# Altium PCB module_base.PcbDoc (part 4 of 4)
Units mil, origin at the board's own origin, x right, y up, seen from the top; angles counter-clockwise.
Board outline 3464.57 x 2795.28 mil, 4 copper layers (Top Layer, L2_GND, L3_PWR, Bottom Layer), stack 61.811 mil thick; 147 components, 144 nets, 753 pads, 600 vias.
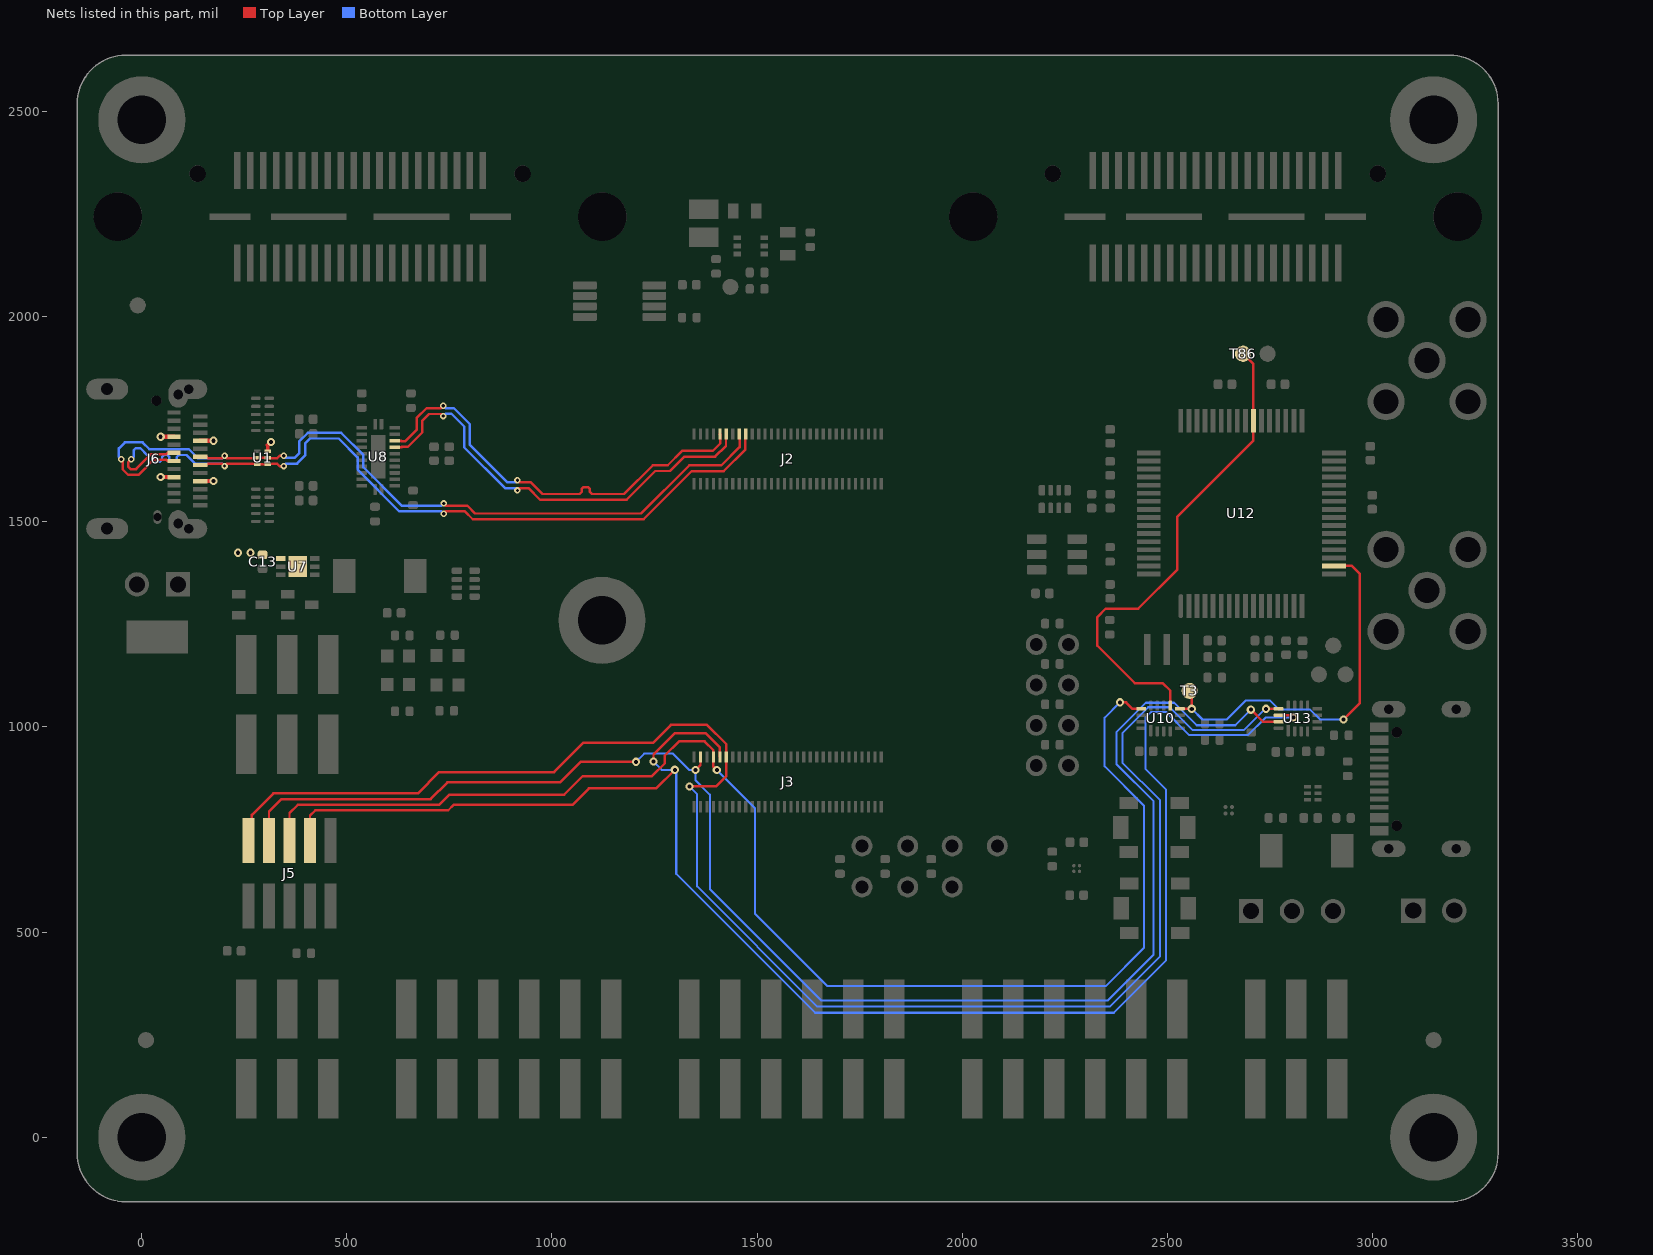
[diagram p6: the nets of this part, all layers, seen from the top]

## Via types
v1: diameter 20, hole 10, Top Layer to Bottom Layer, 431 vias
v2: diameter 16, hole 8, Top Layer to Bottom Layer, 129 vias
v3: diameter 30, hole 15, Top Layer to Bottom Layer, 40 vias

## Nets (pads, with @x,y where several pads share a name; then routed paths per layer and width w, separated by ;. In a path a pad name is that pad's centre, name@x,y a point inside that pad or via, vN(x,y) a via of type N, cw(c..) or ccw(c..) an arc to the next point about the centre after c; other vN are vias at no path point) (continued)
SS_TX_N: J2.11 U8.7 | length 1065
  Top Layer w6: U8.7@616.59,1682.28 633.35,1682.27 634.22,1683.16 648.62,1683.16 684,1718.54 684,1747.1 700,1763.1 730,1763.1 v2(735,1758.1) ; v2(915.73,1576.7) 921.23,1582.2 943,1582.2 971.2,1554 1118.05,1554 ; 1119.8,1554 1181.8,1554 1251.95,1624.15 1288.15,1624.15 1323,1659 1397.8,1659 1424.32,1685.52 1424.32,1713.3 J2.11@1425.2,1714.17
  Bottom Layer w6: v2(735,1758.1) 740.5,1763.61 754.7,1763.61 786,1732.32 786,1681.79 885.59,1582.2 910.23,1582.2 v2(915.73,1576.7)
SS_TX_P: J2.9 U8.8 | length 1066.9
  Top Layer w6: U8.8@616.59,1698.03 631.97,1698.02 632.84,1697.16 642.82,1697.16 670,1724.33 670,1752.9 694.2,1777.1 729,1777.1 v2(735,1783.1) ; v2(915.73,1601.7) 921.23,1596.2 948.8,1596.2 977,1568 1067.59,1568 1073.05,1573.46 1073.05,1581.34 1076.56,1584.86 1088.43,1584.86 1091.95,1581.34 1091.95,1574.06 1098,1568 1176,1568 1246.15,1638.15 1282.35,1638.15 1317.2,1673 1392,1673 1410.32,1691.32 1410.32,1713.3 J2.9@1409.45,1714.17
  Bottom Layer w6: v2(735,1783.1) 740.5,1777.61 760.5,1777.61 800,1738.11 800,1687.59 891.39,1596.2 910.23,1596.2 v2(915.73,1601.7)
TCK: J3.3 J5.4 U13.15 | length 3823
  Top Layer w6: J5.4@310,723.11 310,793.86 340.14,824 704,824 745,865 1020,865 1070,915 v1(1205,915) ; v1(1350,895) 1362.2,907.2 J3.3@1362.2,926.77 ; v1(2704,1042.11) 2733.35,1012.75 U13.15@2771.63,1012.76
  Bottom Layer w5: v1(1205,915) 1225,935 1295,935 1335,895 v1(1350,895) 1350.01,869.99 1385,835.01 1385,605 1656.89,333.11 2355,333.11 2467,445.11 2467,818.53 2377,908.53 2377,988.11 2447.89,1059 2517.11,1059 2572,1004.11 2666,1004.11 v1(2704,1042.11)
TDI: J3.9 J5.8 U13.14 | length 3997.3
  Top Layer w6: J5.8@410,723.11 410,784 423,797 747,797 760,810 1050,810 1090,850 1254,850 v1(1299.5,895.5) ; v1(1247.52,915.58) 1247.52,932.51 1299.99,985 1374.01,985 1409.45,949.55 J3.9@1409.45,926.77 ; U13.14@2771.63,1028.51 2802.61,1028.49 v1(2808,1023.11)
  Bottom Layer w5: v1(1247.52,915.58) 1267.6,895.5 v1(1299.5,895.5) 1303,892 1303,642.02 1641.87,303.11 2370,303.11 2497,430.11 2497,847.64 2446.92,897.72 2446.92,1022.92 2461,1037 2497.11,1037 2554,980.11 2696.99,980.11 2740,1023.11 v1(2808,1023.11)
TDO: J3.7 J5.6 U10.13 | length 3405.7
  Top Layer w6: J5.6@360,723.11 360,789.79 380.21,810 725,810 750,835 1030,835 1075,880 1243.89,880 1275,911.11 1275,930 1310,965 1372,965 1393.7,943.3 J3.7@1393.7,926.77 1393.7,903.41 v1(1402,895.11) ; v1(2385,1060) 2400.01,1060 2415.76,1044.24 U10.13@2436.63,1044.25
  Bottom Layer w5: v1(1402,895.11) 1495,802.11 1495,545 1671.89,368.11 2350,368.11 2443.6,461.71 2443.6,807.84 2347.51,903.93 2347.51,1022.51 v1(2385,1060)
TDO_3V3: T3.1 U10.8 U12.18 | length 936.6
  Top Layer w6: U10.8@2531.12,1044.25 v1(2560,1044.24) 2560,1083.11 T3.1@2555,1088.11 ; U12.18@2906.83,1392.68 2950.43,1392.68 2970,1373.1 2970,1058.11 v1(2930,1018.11)
  Bottom Layer w5: v1(2560,1044.24) 2586.14,1018.11 2645,1018.11 2691,1064.11 2751,1064.11 2772,1043.11 2848,1043.11 2873,1018.11 v1(2930,1018.11)
TMS: J3.11 J5.2 U13.13 | length 4098.1
  Top Layer w6: J5.2@260,723.11 268.51,731.62 268.51,785.62 320.89,838 673,838 725,890 1005,890 1076.06,961.07 1246.06,961.07 1290,1005 1378,1005 1425.19,957.81 J3.11@1425.2,926.77 1425.19,880.19 1399.99,855 v1(1335,855) ; v1(2741,1044.24) U13.13@2771.63,1044.25
  Bottom Layer w5: v1(1335,855) 1353.8,836.2 1353.8,611.22 1646.88,318.11 2360,318.11 2483,441.11 2483,821 2391,913 2391,985.11 2453.89,1048 2506.11,1048 2562,992.11 2687.07,992.11 2739.21,1044.25 v1(2741,1044.24)
TXD_3V3: T86.1 U10.9 U12.39 | length 1185.6
  Top Layer w6: U10.9@2507.5,1052.13 2507.5,1088.61 2489.11,1107 2421.11,1107 2330,1198.11 2330,1268.1 2350,1288.1 2429,1288.1 2525,1384.1 2525,1513.1 2710.45,1698.56 2710.45,1746.54 2710.45,1884.55 T86.1@2685,1910
USB2_N: J2.17 J6.A7 J6.B7 U1.3 U1.4 | length 2054.7
  Top Layer w6: v2(-25.57,1652.81) -32.61,1645.77 -32.61,1633.89 -27.45,1628.75 -14.16,1628.75 22.55,1665.45 60.07,1665.45 62.91,1668.29 J6.B7@78.84,1668.31 ; J6.A7@141.83,1638.78 157.76,1638.77 160.6,1641.62 196.13,1641.62 v2(201.63,1636.12) 207.13,1641.62 280.63,1641.62 U1.3@281.5,1640.75 U1.4@307.09,1640.75 307.96,1641.62 330.2,1641.62 335.7,1636.12 v2(345.7,1636.12) ; v2(735.89,1520.08) 741.39,1525.58 787.62,1525.58 806.73,1506.47 1223.27,1506.47 1340.8,1624 1418.8,1624 1471.57,1676.77 1471.57,1713.3 J2.17@1472.44,1714.17
  Bottom Layer w6: v2(-25.57,1652.81) -19.42,1658.97 -19.42,1675.27 -14.79,1679.9 -4,1679.9 12.78,1663.11 25.85,1663.11 31.12,1657.84 31.12,1651.84 36.39,1646.56 43.85,1646.56 49.12,1651.84 49.12,1657.84 54.39,1663.11 61.85,1663.11 67.12,1657.84 67.12,1651.84 72.39,1646.56 79.85,1646.56 85.12,1651.84 85.12,1657.84 90.39,1663.11 109.06,1663.11 130.55,1641.62 196.13,1641.62 v2(201.63,1636.12) ; v2(345.7,1636.12) 351.71,1642.13 378.36,1642.13 398.18,1661.95 398.18,1691.04 410.45,1703.32 479.99,1703.32 526,1657.31 526,1627.31 627.73,1525.58 730.39,1525.58 v2(735.89,1520.08)
USB2_P: J2.15 J6.A6 J6.B6 U1.2 U1.5 | length 2055.9
  Top Layer w6: v2(-50.57,1652.81) -46.61,1648.85 -46.61,1628.1 -33.25,1614.75 -8.36,1614.75 28.35,1651.45 60.09,1651.45 62.93,1648.62 J6.B6@78.84,1648.62 ; J6.A6@141.83,1658.46 157.74,1658.45 160.58,1655.62 196.13,1655.62 v2(201.63,1661.12) 207.13,1655.62 280.63,1655.62 U1.2@281.5,1656.5 U1.5@307.09,1656.5 307.96,1655.62 330.2,1655.62 335.7,1661.12 v2(345.7,1661.12) ; v2(735.89,1545.08) 741.39,1539.58 793.42,1539.58 812.53,1520.47 1217.47,1520.47 1335,1638 1413,1638 1457.57,1682.57 1457.57,1713.3 J2.15@1456.69,1714.17
  Bottom Layer w6: v2(-50.57,1652.81) -56.01,1658.27 -56.01,1679.15 -41.27,1693.9 1.8,1693.9 18.58,1677.11 114.86,1677.11 136.35,1655.62 196.13,1655.62 v2(201.63,1661.12) ; v2(345.7,1661.12) 350.69,1656.13 372.56,1656.13 384.18,1667.75 384.18,1696.84 404.66,1717.32 485.79,1717.32 540,1663.11 540,1633.11 633.53,1539.58 730.39,1539.58 v2(735.89,1545.08)
VBUSC: C13.2 J6.A4 J6.A9 J6.B4 J6.B9 U1.6 U7.1 U7.7 | length 157.6
  Top Layer w8: U1.6@307.09,1672.25 307.09,1687.12
  Top Layer w10: v1(45.87,1609.25) J6.B4@78.84,1609.25 ; v1(45.87,1707.66) J6.B9@78.84,1707.68 ; J6.A9@141.83,1599.41 v1(174.8,1599.41) ; J6.A4@141.83,1697.83 v1(174.8,1697.83) ; 307.09,1687.12 314.6,1694.63 v1(314.8,1694.63)
  other v1: 234.8,1424.83 264.8,1424.83
pads on no net: FID1.1 FID2.1 FID3.1 J1. J1.02 J1.04 J1.08 J1.10 J1.25 J1.27 J2.4 J2.6 J2.10 J2.12 J3.20 J3.22 J3.24 J3.26 J3.28 J3.29 J3.30 J3.31 J3.32 J3.33 J3.34 J3.35 J3.36 J3.37 J3.38 J3.39 J3.41 J3.43 J3.45 J4. J4.25 J4.27 J4.36 J5.7 J6. J6.A8 J6.B8 J8.1 J8.3 J8.4 J13.6 J15.2 J15.3 J15.4 J20.17 J20.18 J20.A8 J20.B8 SW1.G1 SW1.G2 SW1.G3 SW1.G4 SW2.G1 SW2.G2 SW2.G3 SW2.G4 U7.3 U8.2 U8.10 U10.7 U10.14 U12.22 U12.23 U12.24 U12.26 U12.27 U12.28 U12.29 U12.30 U12.32 U12.33 U12.34 U12.36 U12.40 U12.41 U12.43 U12.44 U12.45 U12.46 U12.48 U12.52 U12.53 U12.54 U12.55 U12.57 U12.58 U12.59 U12.60

## Polygon pours and split planes (outlines as drawn)
GND on Top Layer "TOP-GND 2" (solid, pour order 179): 3160,988.11 2995,988.11 2985,998.11 2985,1088.11 3001.73,1104.84 3254.8,1104.84 3265,1094.64 3265,645.04 3253.07,633.11 3000,633.11 2985,648.11 2985,743.11 2995,753.11 3185,753.11 3185,963.11 3160,988.11
DEBUG_PVUSB on Top Layer "TOP-DEBUG_PVUSB" (solid, pour order 178): 3040,788.11 2995,788.11 2980,803.11 2950,803.11 2940,793.11 2940,763.11 2950,753.11 2980,753.11 2995,768.11 3040,768.11 3150,768.11 3170,788.11 3170,973.11 3165,978.11 2975,978.11 2970,973.11 2970,963.11 2975,958.11 3035,958.11 3050,943.11 3110,943.11 3130,923.11 3130,823.11 3110,803.11 3055,803.11 3040,788.11
P5V on Top Layer "TOP-P5V" (solid, pour order 148): 945,1168.11 945,1360 1013.1,1428.1 1505,1428.1 1670,1263.1 1740,1263.1 1755,1248.1 1755,1168.11 1730,1143.11 1606.89,1143.11 1555,1195 1465,1195 1435,1225 1376.9,1225 1250,1098.11 1015,1098.1 945,1168.11
AON_OUT_5V on Top Layer "TOP-AON_OUT_5V" (solid, pour order 147): 2662,784 2710,784 2715,779 2715,653.11 2755,613.11 2755,508.11 2740,493.11 2635,493.11 2610,518.11 2610,695 2662,747 2662,784
P5V on Top Layer "TOP-P5V 1" (solid, pour order 146): 2730,733.11 2730,663.11 2790,603.11 2820,603.11 2850,573.11 2850,513.11 2870,493.11 2955,493.11 2975,513.11 2975,608.11 2945,638.11 2875,638.11 2825,688.11 2825,718.11 2810,733.11 2730,733.11
NetC71_2 on Top Layer "TOP-NETC71_2" (solid, pour order 145): 2916.89,793.11 2865,793.11 2860,788.11 2860,683.11 2885,658.11 2950,658.11 2950,733.11 2920,763.11 2920,790 2916.89,793.11
P3V3D on Top Layer "TOP-P3V3D" (solid, pour order 144): 2299.8,1544.83 2404.8,1544.83 2414.8,1534.83 2414.8,1509.83 2399.8,1494.83 2299.8,1494.83 2294.8,1499.83 2294.8,1539.83 2299.8,1544.83
P3V3D on L3_PWR "L3_PWR-P3V3D" (solid, pour order 164): -39.37,-136.5 -136.5,-39.37 -136.5,2519.68 -136.13,2528.15 -135.02,2536.55 -133.19,2544.82 -130.64,2552.91 -127.4,2560.73 -123.49,2568.25 -118.93,2575.4 -113.78,2582.12 -108.05,2588.37 -101.8,2594.09 -95.08,2599.25 -87.94,2603.8 -80.42,2607.71 -72.59,2610.96 -64.51,2613.51 -56.24,2615.34 -47.84,2616.45 -39.4,2616.81 -39.3,2616.81 3188.97,2616.81 3197.44,2616.45 3205.84,2615.34 3214.11,2613.51 3222.19,2610.96 3230.02,2607.71 3237.54,2603.8 3244.68,2599.25 3251.4,2594.09 3257.65,2588.37 3263.38,2582.12 3268.53,2575.4 3273.09,2568.25 3277,2560.73 3280.24,2552.91 3282.79,2544.82 3284.62,2536.55 3285.73,2528.15 3286.1,2519.68 3286.1,-39.37 3285.73,-47.83 3284.62,-56.23 3282.79,-64.5 3280.24,-72.59 3277,-80.41 3273.09,-87.93 3268.53,-95.08 3263.38,-101.8 3257.65,-108.05 3251.4,-113.77 3244.68,-118.93 3237.53,-123.48 3230.02,-127.39 3222.19,-130.64 3214.11,-133.19 3205.84,-135.02 3197.44,-136.13 3188.97,-136.5 -39.37,-136.5
PVDD_1 on L3_PWR "L3_PWR-PVDD_1" (solid, pour order 163): 2996.77,-135 2996.77,93.11 338.74,93.11 285,146.85 285,385 285,435 265,455 130,455 110,475 110,925 130,945 130,1228.11 160,1258.11 880,1258.11 1085,1053.11 1375,1053.11 1380,1058.11 1380,1408.11 1265,1523.11 1265,1763.11 1404,1902.11 1404,2008.11 1373.11,2008.11 1010,1645 1010,1348.11 845,1348.11 804.05,1389.06 804.05,1415.95 749.99,1470.01 723.1,1470.01 363.63,1470.01 293.28,1399.66 -135,1399.66 -135,-45 -45,-135 2996.77,-135
GND on L3_PWR "L3_PWR-GND 4" (solid, pour order 162): 1445,1600 1431,1586 1431,1558 1453,1536 2037.89,1536 2250,1748.11 2890,1748.11 2930,1708.11 2930,1433.11 3045,1318.11 3145,1318.11 3145,1908.11 3080,1908.11 2980,1808.11 2580,1808.11 2560,1828.11 2560,1930 2580,1950 2720,1950 2758,1988 2758,2282 2694,2346 2694,2431 2685,2440 2549,2440 2543,2434 2543,2328.6 2590,2281.6 2590,2135 2579,2124 2369,2124 2335,2090 2335,2011 2294,1970 2197,1970 2124.95,2042.06 2071.06,2042.06 2070,2043.11 1888.11,2043.11 1795,1950 1586.89,1950 1465,1828.11 1465,1813.11 1445,1793.11
P1V8D on L3_PWR "L3_PWR-P1V8D" (solid, pour order 160): 2000,764.84 2024.8,740.04 2024.8,552.91 1990,518.11 1990,348.11 2030,308.11 2926.89,308.11 2970,265 2970,228.11 2926.89,185 465,185 465,933.11 475,943.11 550,943.11 565,928.11 565,398.11 655,308.11 1910,308.11 1940,338.11 1940,928.11 1945,933.11 1995,933.11 2000,928.11 2000,764.84
P1V2D on L3_PWR "L3_PWR-P1V2D" (solid, pour order 161): 590,175 2930,175 2980,225 2980,275 2935,320 2875,320 2860,335 2860,423.11 2838.27,444.84 2333.27,444.84 2310,468.11 2225,553.11 2225,618.11 2250,643.11 2310,643.11 2445,508.11 2875,508.11 3109.48,508.11 3109.48,210.81 2996.77,98.11 2898.07,98.11 345,98.11 294.06,149.06 295,150 295,450 275,470 135,470 120,485 120,923.11 135,938.11 450,938.11 460,928.11 460,305 590,175
GND on L3_PWR "L3_PWR-GND 3" (solid, pour order 159): 635,1773.11 595,1813.11 450,1813.11 390,1873.11 -135,1873.11 -135,1408.11 290,1408.11 360,1478.11 760,1478.11 760,1548.11 635,1673.11 635,1773.11
PVDD_3 on L3_PWR "L3_PWR-PVDD_3" (solid, pour order 158): 2236.04,963.96 2236.04,890.61 2252.8,873.84 2306.8,873.84 2318.8,885.84 2319.27,912.38 2319.26,1042.78 2198.93,1163.11 1705,1163.11 1495,953.11 1096.89,953.11 880,1170 780,1170 780,1118.11 1050,848.11 1680,848.11 1707.5,875.61 1707.5,975.61 1835,1103.11 2096.89,1103.11 2236.04,963.96
PVUSBC on L3_PWR "L3_PWR-PVUSBC" (solid, pour order 157): 1046.89,838.11 1695,838.11 1705,828.11 1705,813.11 1705,763.11 1697.5,755.61 1022.5,755.61 852.5,755.61 835,773.11 835,918.11 660,1093.11 195,1093.11 185,1103.11 185,1153.11 201.89,1170 770,1170 770,1115 1046.89,838.11
P5V on L3_PWR "L3_PWR-P5V" (solid, pour order 156): 2099.04,964.07 2099.04,845.61 2100.8,845.84 2161.06,785.57 2292.54,785.57 2375,703.11 2651,703.11 2651,793.11 2435,793.11 2373.9,854.21 2240.8,853.84 2223.54,871.11 2223.54,954.57 2085,1093.11 1840,1093.11 1715,968.11 1715,748.11 1706,739.11 1706,584.11 1720,570.11 1773,570.11 1800,597.11 1800,948.11 1845,993.11 2070,993.11 2099.04,964.07
PVDD_2 on L3_PWR "L3_PWR-PVDD_2" (solid, pour order 155): 2115,653.11 2305,463.11 2335,433.11 2825,433.11 2845,413.11 2845,328.11 2835,318.11 2115,318.11 2115,470 2080,505 2080,648.11 2085,653.11 2115,653.11
GND on L3_PWR "L3_PWR-GND" (solid, pour order 154): 680,2440 575,2440 565,2430 565,2115 535,2085 295,2085 285,2075 285,1970 325,1930 595,1930 665,1860 705,1860 715,1870 715,1950 690,1975 690,2085 675,2100 675,2380 690,2395 690,2430 680,2440
P1V8_AON on L3_PWR "L3_PWR-P1V8_AON" (solid, pour order 153): 1930,923.11 1920,933.11 1870,933.11 1865,933.11 1860,928.11 1860,923.11 1860,878.11 1860,583.11 1860,508.11 1860,398.11 1840,378.11 1406.89,378.11 1355,430 1315,430 1305,420 1305,318.11 1900,318.11 1905,323.11 1930,348.11 1930,923.11
VBUSC on L3_PWR "L3_PWR-VBUSC" (solid, pour order 152): 175,1678.11 190,1693.11 190,1708.11 175,1723.11 40,1723.11 -70,1723.11 -93.39,1699.72 -93.39,1616.5 -65,1588.11 -5,1588.11 10,1573.11 180,1573.11 220,1573.11 240,1573.11 255,1573.11 280,1548.11 280,1463.11 260,1443.11 225,1443.11 220,1438.11 220,1413.11 225,1408.11 285,1408.11 305,1428.11 305,1662.73 335,1692.73 335,1713.11 330,1718.11 310,1718.11 300,1708.11 300,1687.54 245,1632.54 245,1613.11 235,1603.11 190,1603.11 185,1608.11 175,1618.11 75,1618.11 70,1623.11 25,1623.11 15,1613.11 -65,1613.11 -76.96,1625.08 -76.96,1691.14 -60,1708.11 20,1708.11 30,1698.11 35,1693.11 150,1693.11 165,1678.11 175,1678.11
PVDD_1 on L3_PWR "L3_PWR-PVDD_1 1" (solid, pour order 151): 2815,1013.11 2815,898.11 2805,888.11 2750,888.11 2745,893.11 2745,948.11 2742.5,948.11 2730,960.61 2512.5,960.61 2485,933.11 2485,898.11 2480,893.11 2420,893.11 2410,903.11 2410,933.11 2490,1013.11 2815,1013.11
GND on L3_PWR "L3_PWR-GND 1" (solid, pour order 150): 2900,875 2900,810 2915,795 2950,795 2960,805 3010,805 3050,845 3105,845 3125,865 3125,900 3105,920 3050,920 3015,955 2950,955 2920,925 2920,895 2900,875
GND on L3_PWR "L3_PWR-GND 2" (solid, pour order 149): 785,1813.11 715,1813.11 700,1798.11 700,1743.11 710,1733.11 756.89,1733.11 770,1720 770,1688.11 885,1573.11 885,1553.11 890,1548.11 920,1548.11 935,1563.11 935,1608.11 850,1693.11 850,1748.11 785,1813.11
P5V on Bottom Layer "BOTTOM-P5V" (solid, pour order 177): 1438,1640.11 1438,1551 1486,1503 1615.11,1503 1656.56,1461.56 1930,1188.11 1930,1022 1896.11,988.11 1816.89,988.11 1220,1585 1220,1893.11 1275,1948.11 1275,2018.11 1420,2163.11 1575,2163.11 1820,2408.11 2260,2408.11 2365,2303.11 2365,2135 2330,2100 2330,2013.11 2320,2003.11 2230,2003.11 2165,2068.11 1825,2068.11 1715,1958.11 1550,1958.11 1420,1828.11 1420,1658.11
FT_VDD18 on Bottom Layer "BOTTOM-FT_VDD18" (solid, pour order 176): 2334.8,1248.31 2334.8,1163.31 2365,1133.11 2686.29,1133.11 2775,1223.27 2775,1388.11 2762.5,1400.61 2762.5,1570.61 2710,1623.11 2710,1683.11 2685,1708.11 2315,1708.11 2299.65,1692.76 2299.65,1678.11 2299.65,1584.75 2391.29,1493.11 2545,1493.11 2575,1463.11 2575,1421.46 2526.69,1373.11 2310,1373.11 2290,1353.11 2290,1293.11 2334.8,1248.31
PVDD_1 on Bottom Layer "BOTTOM-PVDD_1" (solid, pour order 175): 2650,28.11 2665,13.11 2840,13.11 2849.99,23.1 2849.99,218.11 2850,218.11 2850,238.11 3045,433.11 3045,633.11 2950,728.11 2880,728.11 2815,793.11 2815,913.11 2805,923.11 2745,923.11 2720,898.11 2720,778.11 2850,648.11 2905,648.11 2970,583.11 2970,498.11 2925,453.11 2690,453.11 2650,413.11 2650,28.11
PVDD_3 on Bottom Layer "BOTTOM-PVDD_3" (solid, pour order 174): 293.8,1003.84 293.8,880.84 293.8,734.31 350,678.11 705,678.11 865,838.11 865,1139.11 848,1156.11 774,1156.11 759,1141.11 759,1019 608.11,868.11 460,868.11 430,898.11 430,1003.11 413.11,1020 309.96,1020 293.8,1003.84
P3V3_SOM on Bottom Layer "BOTTOM-P3V3_SOM" (solid, pour order 173): 1853.11,653.11 2361.89,653.11 2430,585 2430,468.11 2340,378.11 1921.89,378.11 1825,475 1825,625 1853.11,653.11
P1V8D on Bottom Layer "BOTTOM-P1V8D 1" (solid, pour order 172): 785,2015 940,1860 940,1538.11 892.49,1490.6 827.49,1490.6 760,1423.11 648.61,1423.11 445,1219.5 445,903.11 470,878.11 555,878.11 580,903.11 580,1258.11 685,1363.11 905,1363.11 995,1453.11 995,1925 860,2060 800,2060 785,2045 785,2015
PVUSBC on Bottom Layer "BOTTOM-PVUSBC" (solid, pour order 171): 580,1493.11 543.11,1493.11 480,1430 411.89,1430 175,1193.11 175,1085 200,1060 355,1060 395,1100 395,1230 610,1445 610,1463.11 580,1493.11
P5V on Bottom Layer "BOTTOM-P5V 1" (solid, pour order 170): 2580,783.11 2580,643.11 2640,583.11 2640,498.11 2665,473.11 2910,473.11 2955,518.11 2955,573.11 2890,638.11 2830,638.11 2675,793.11 2590,793.11 2580,783.11
P5V on Bottom Layer "BOTTOM-P5V 2" (solid, pour order 169): 755,1323.11 660,1323.11 590,1253.11 590,1053.11 615,1028.11 715,1028.11 744,1057.11 744,1148.11 764,1168.11 895,1168.11 908.11,1155 1000,1155 1010,1165 1010,1173.11 1010,1268.11 1005,1273.11 805,1273.11 755,1323.11
PVDD_1 on Bottom Layer "BOTTOM-PVDD_1 1" (solid, pour order 168): 830,1353.11 925,1353.11 1010,1438.11 1010,2075 1020,2085 1073.11,2085 1085,2073.11 1085,1388.11 980,1283.11 830,1283.11 820,1293.11 820,1343.11 830,1353.11
P1V8_AON on Bottom Layer "BOTTOM-P1V8_AON" (solid, pour order 167): 2300.27,1267.84 2132.8,1267.84 1939.45,1074.5 1938.92,1018.93 1870,950 1870,908.11 1875,903.11 1925,903.11 1935,913.11 1935,938.11 2165,1168.11 2305,1168.11 2320,1183.11 2320,1248.11 2300.27,1267.84
P1V8D on Bottom Layer "BOTTOM-P1V8D" (solid, pour order 166): 2170,1039.84 2261.73,1039.84 2320,1098.11 2320,1148.11 2315,1153.11 2175,1153.11 2165,1153.11 1945,933.11 1945,908.11 1950,903.11 1998.07,903.11 1999.03,904.07 2034.23,904.07 2170,1039.84
VBUSC on Bottom Layer "BOTTOM-VBUSC" (solid, pour order 165): 175,1678.11 190,1693.11 190,1708.11 175,1723.11 40,1723.11 -70,1723.11 -93.39,1699.72 -93.39,1616.5 -65,1588.11 -5,1588.11 10,1573.11 180,1573.11 220,1573.11 240,1573.11 255,1573.11 280,1548.11 280,1463.11 260,1443.11 225,1443.11 220,1438.11 220,1413.11 225,1408.11 285,1408.11 305,1428.11 305,1662.73 335,1692.73 335,1713.11 330,1718.11 310,1718.11 300,1708.11 300,1687.54 245,1632.54 245,1613.11 235,1603.11 190,1603.11 185,1608.11 175,1618.11 75,1618.11 70,1623.11 25,1623.11 15,1613.11 -65,1613.11 -76.96,1625.08 -76.96,1691.14 -60,1708.11 20,1708.11 30,1698.11 35,1693.11 150,1693.11 165,1678.11 175,1678.11
GND on L2_GND "PWR_L01" (solid, remove dead copper, pour order 142): -39.37,-136.5 cw(c-39.37,-39.37) -136.5,-39.37 -136.5,2519.68 cw(c-39.37,2519.68) -39.4,2616.81 -39.3,2616.81 3188.98,2616.81 cw(c3188.98,2519.69) 3286.1,2519.69 3286.1,-39.37 cw(c3188.98,-39.37) 3188.98,-136.5

## Other copper
Top Layer:
  drawing of 115 lines, arcs and shapes, not listed
  text "TOP LAYER" at 1168.7,-357.86 h100
L2_GND:
  pour cut-out: 601.27,2403.12 649.07,2403.12 649.07,2313.52 601.27,2313.52
  pour cut-out: 2688.09,2401.74 2735.89,2401.74 2735.89,2312.14 2688.09,2312.14
  pour cut-out: 2593.61,2086.43 2641.41,2086.43 2641.41,2176.03 2593.61,2176.03
  pour cut-out: 2499.12,2086.43 2546.92,2086.43 2546.92,2176.03 2499.12,2176.03
  pour cut-out: 2404.63,2086.43 2452.43,2086.43 2452.43,2176.03 2404.63,2176.03
  pour cut-out: 603.11,1655.85 630.11,1655.85 630.11,1629.85 603.11,1629.85
  pour cut-out: 603.11,1703.09 630.11,1703.09 630.11,1677.09 603.11,1677.09
  pour cut-out: 522.8,1624.35 549.8,1624.35 549.8,1598.35 522.8,1598.35
  pour cut-out: 522.8,1655.85 549.8,1655.85 549.8,1629.85 522.8,1629.85
  pour cut-out: 522.8,1687.34 549.8,1687.34 549.8,1661.34 522.8,1661.34
  pour cut-out: 522.8,1718.84 549.8,1718.84 549.8,1692.84 522.8,1692.84
  pour cut-out: 372.91,1599.09 427.77,1599.09 427.77,1540.29 372.91,1540.29
  pour cut-out: 372.91,1761.64 427.77,1761.64 427.77,1702.84 372.91,1702.84
  pour cut-out: 125.9,1585.52 157.8,1585.52 157.8,1554.52 125.9,1554.52
  pour cut-out: 125.9,1664.26 157.8,1664.26 157.8,1633.26 125.9,1633.26
  pour cut-out: 125.9,1743 157.8,1743 157.8,1712 125.9,1712
  pour cut-out: 62.91,1595.36 94.81,1595.36 94.81,1564.36 62.91,1564.36
  pour cut-out: 62.9,1674.1 94.8,1674.1 94.8,1643.1 62.9,1643.1
  pour cut-out: 62.9,1752.84 94.8,1752.84 94.8,1721.84 62.9,1721.84
  pour cut-out: 1783.47,1606.68 1807.17,1606.68 1807.17,1579.08 1783.47,1579.08
  pour cut-out: 1736.23,1606.68 1759.93,1606.68 1759.93,1579.08 1736.23,1579.08
  pour cut-out: 1688.98,1606.68 1712.68,1606.68 1712.68,1579.08 1688.98,1579.08
  pour cut-out: 1641.74,1606.68 1665.44,1606.68 1665.44,1579.08 1641.74,1579.08
  pour cut-out: 1594.49,1606.68 1618.19,1606.68 1618.19,1579.08 1594.49,1579.08
  pour cut-out: 1547.25,1606.68 1570.95,1606.68 1570.95,1579.08 1547.25,1579.08
  pour cut-out: 1500,1606.68 1523.7,1606.68 1523.7,1579.08 1500,1579.08
  pour cut-out: 1452.76,1606.68 1476.46,1606.68 1476.46,1579.08 1452.76,1579.08
  pour cut-out: 1405.52,1606.68 1429.22,1606.68 1429.22,1579.08 1405.52,1579.08
  pour cut-out: 1358.27,1606.68 1381.97,1606.68 1381.97,1579.08 1358.27,1579.08
  pour cut-out: 1783.47,1727.94 1807.17,1727.94 1807.17,1700.34 1783.47,1700.34
  pour cut-out: 1736.23,1727.94 1759.93,1727.94 1759.93,1700.34 1736.23,1700.34
  pour cut-out: 1688.98,1727.94 1712.68,1727.94 1712.68,1700.34 1688.98,1700.34
  pour cut-out: 1641.73,1727.94 1665.43,1727.94 1665.43,1700.34 1641.73,1700.34
  pour cut-out: 1594.49,1727.94 1618.19,1727.94 1618.19,1700.34 1594.49,1700.34
  pour cut-out: 1547.25,1727.94 1570.95,1727.94 1570.95,1700.34 1547.25,1700.34
  pour cut-out: 1500,1727.94 1523.7,1727.94 1523.7,1700.34 1500,1700.34
  pour cut-out: 2593.6,2401.74 2641.4,2401.74 2641.4,2312.14 2593.6,2312.14
  pour cut-out: 2499.11,2401.74 2546.91,2401.74 2546.91,2312.14 2499.11,2312.14
  pour cut-out: 2404.62,2401.74 2452.42,2401.74 2452.42,2312.14 2404.62,2312.14
  pour cut-out: 2310.14,2401.74 2357.94,2401.74 2357.94,2312.14 2310.14,2312.14
  pour cut-out: 508.16,2176.15 555.96,2176.15 555.96,2086.55 508.16,2086.55
  pour cut-out: 413.67,2176.15 461.47,2176.15 461.47,2086.55 413.67,2086.55
  pour cut-out: 319.18,2176.15 366.98,2176.15 366.98,2086.55 319.18,2086.55
  pour cut-out: 508.16,2401.74 555.96,2401.74 555.96,2312.14 508.16,2312.14
  pour cut-out: 413.67,2401.74 461.47,2401.74 461.47,2312.14 413.67,2312.14
  text "LAYER2 (GND)" at 1094.7,-356.99 h100
L3_PWR:
  pour cut-out: 102.99,2480.31 101.01,2500.41 95.15,2519.73 85.64,2537.54 72.83,2553.14 57.22,2565.95 39.41,2575.47 20.09,2581.33 0,2583.31 -20.1,2581.33 -39.42,2575.47 -51.28,2569.13 -57.22,2565.95 -72.83,2553.14 -85.64,2537.54 -95.16,2519.73 -101.02,2500.41 -103,2480.31 -101.02,2460.22 -95.16,2440.9 -85.64,2423.09 -72.83,2407.49 -57.22,2394.68 -51.28,2391.5 -39.42,2385.16 -20.1,2379.3 0,2377.32 20.09,2379.3 39.41,2385.16 57.22,2394.68 72.83,2407.49 85.64,2423.09 95.15,2440.9 101.01,2460.22 102.99,2480.31
  pour cut-out: 102.99,0 101.01,20.09 95.15,39.41 85.64,57.22 72.83,72.83 57.22,85.64 39.41,95.16 20.09,101.02 0,103 -20.1,101.02 -39.42,95.16 -51.28,88.82 -57.22,85.64 -72.83,72.83 -85.64,57.22 -95.16,39.41 -101.02,20.09 -103,0 -101.02,-20.09 -95.16,-39.41 -85.64,-57.22 -72.83,-72.83 -57.22,-85.64 -51.28,-88.82 -39.42,-95.16 -20.1,-101.02 0,-103 20.09,-101.02 39.41,-95.16 57.22,-85.64 72.83,-72.83 85.64,-57.22 95.15,-39.41 101.01,-20.09 102.99,0
  pour cut-out: 3252.6,0 3250.62,20.09 3244.76,39.41 3235.24,57.22 3222.43,72.83 3206.83,85.64 3189.02,95.16 3169.7,101.02 3149.6,103 3129.51,101.02 3110.19,95.16 3098.33,88.82 3092.38,85.64 3076.77,72.83 3063.97,57.22 3054.45,39.41 3048.59,20.09 3046.61,0 3048.59,-20.09 3054.45,-39.41 3063.97,-57.22 3076.77,-72.83 3092.38,-85.64 3098.33,-88.82 3110.19,-95.16 3129.51,-101.02 3149.6,-103 3169.7,-101.02 3189.02,-95.16 3206.83,-85.64 3222.43,-72.83 3235.24,-57.22 3244.76,-39.41 3250.62,-20.09 3252.6,0
  pour cut-out: 3252.6,2480.31 3250.62,2500.41 3244.76,2519.73 3235.24,2537.54 3222.43,2553.14 3206.83,2565.95 3189.02,2575.47 3169.7,2581.33 3149.6,2583.31 3129.51,2581.33 3110.19,2575.47 3098.33,2569.13 3092.38,2565.95 3076.77,2553.14 3063.97,2537.54 3054.45,2519.73 3048.59,2500.41 3046.61,2480.31 3048.59,2460.22 3054.45,2440.9 3063.97,2423.09 3076.77,2407.49 3092.38,2394.68 3098.33,2391.5 3110.19,2385.16 3129.51,2379.3 3149.6,2377.32 3169.7,2379.3 3189.02,2385.16 3206.83,2394.68 3222.43,2407.49 3235.24,2423.09 3244.76,2440.9 3250.62,2460.22 3252.6,2480.31
  text "LAYER 3 (POWER)" at 1070.7,-356.86 h100
Bottom Layer:
  region net P1V8_AON: 1355,195 1300,195 1275,220 1275,405 1295,425 1365,425 1380,410 1380,220 1355,195
  text "BOTTOM LAYER" at 1106.7,-357.86 h100
Multi-Layer:
  drawing of 44 lines, arcs and shapes, not listed

## Silkscreen, mask and mechanical layers (free items; w line width, h text height)
Top Overlay:
  drawing of 4145 lines, arcs and shapes, not listed
  text "Expansion #1" at 269.8,2492.6 h100
  text "Expansion #2" at 2349.8,2492.6 h100
  text "tiny SoM Developer Kit" at 1050,2491.19 h118.11
  text "DATA" at -121.86,1869.11 h100
  text "P" at 3125,1683.11 h80
  text "N" at 3125,1503.11 h80
  text "P1V8_AON" at 1919.94,1188.81 h50
  text "DEBUG" at 3050,1094 h80
  text "P1V8D" at 2003.94,1086.49 h50
  text "VDD3" at 33.05,1000.55 h50
  text "PVDD_1" at 1979.94,990.81 h50
  text "1.8V" at 530,913.66 h50
  text "1.2V" at 70,903.11 h50
  text "PVDD_3" at 1971.94,893.81 h50
  text "JTAG" at -53.19,616.11 h100
  text "5V" at 1665.94,582.49 h50
  text "PVDD_2" at 1954.94,526.81 h50
  text "3.3V_SOM" at 1660.94,525.81 h50
  text "P1V8" at 631.93,520.13 h50 r270
  text "P1V8" at 1317.55,518.11 h50 r270
  text "GND" at 1417.55,518.11 h50 r270
  text "SIO0" at 1030.55,515 h50 r270
  text "SSn" at 1135.55,515 h50 r270
  text "GND" at 734.55,512 h50 r270
  text "SIO1" at 930.55,510 h50 r270
  text "SCK" at 830.55,505 h50 r270
  text "B1" at 1615,466 h50 r270
  text "F1" at 1525,465 h50 r270
  text "AON" at 2700,463.66 h50
  text "ON" at 2825,463.66 h50
  text "FT RST" at 3075,441.55 h50
  text "Done" at 1811,427.51 h50
  text "INITn" at 1691,425 h50
  text "1.2V" at 2875,420 h50
  text "1.8V" at 2675,415.55 h50
  text "VDD2" at 3026.05,315 h50
  text "FT_EN" at 233.87,18.11 h50 r270
  text "JTGEN" at 325.55,18.2 h50 r270
  text "CLK_1" at 1518.87,18.11 h50 r270
  text "CLK_2" at 1623.87,18.11 h50 r270
  text "A_INT" at 1718.87,18.11 h50 r270
  text "A_OUT" at 1818.87,18.11 h50 r270
  text "I2C_EN" at 443.87,13.11 h50 r270
  text "PROGn" at 1025.55,13.11 h50 r270
  text "P1V8" at 1315.55,13.11 h50 r270
  text "GND" at 1415.55,13.11 h50 r270
  text "A3" at 1130.55,8.11 h50 r270
  text "1.8V" at 2703.55,-2 h50 r270
  text "3.3V" at 2908.55,-2 h50 r270
  text "VDD1" at 2807,-4.05 h50 r270
  text "P1V8" at 630.55,-6.89 h50 r270
  text "GND" at 730.55,-6.89 h50 r270
  text "SIO3" at 825.55,-6.89 h50 r270
  text "SIO2" at 930.55,-6.89 h50 r270
  text "P1V8" at 2005.55,-6.89 h50 r270
  text "GND" at 2105.55,-6.89 h50 r270
  text "SDA" at 2200.55,-6.89 h50 r270
  text "SCL" at 2305.55,-6.89 h50 r270
  text "A1" at 2405,-16.89 h50 r270
  text "G1" at 2510.55,-16.89 h50 r270
  text "SILKSCREEN TOP" at 1103.7,-464.86 h100
Bottom Overlay:
  text "SILKSCREEN BOTTOM" at 1937.7,-462.86 h100
Top Paste:
  text "PASTEMASK TOP" at 1050.7,-649.86 h100
Bottom Paste:
  text "PASTEMASK BOTTOM" at 957.7,-649.86 h100
Top Solder:
  text "SOLDERMASK TOP" at 1047.7,-550.86 h100
Bottom Solder:
  text "SOLDERMASK BOTTOM" at 929.7,-554.86 h100
Drill Guide:
  the board outline again, w10
  text "DRILL GUIDE" at 1194.8,-745.96 h100
Outline:
  lines w1: -157.48,-39.37 ccw(c-39.37,-39.37) -39.37,-157.48 3188.98,-157.48 ccw(c3188.98,-39.37) 3307.09,-39.37 3307.09,2519.68 ccw(c3188.98,2519.68) 3188.98,2637.79 -39.37,2637.8 ccw(c-39.37,2519.68) -157.48,2519.68 -157.48,-39.37
  lines w5: 1948.09,1415.15 1948.4,1414.84
  text "BOARD OUTLINE" at 1088.8,-843.96 h100
Top Assembly:
  text "ASSEMBLY TOP" at 1109.8,-250.16 h100
Bottom Assembly:
  text "ASSEMBLY BOTTOM" at 1919.8,-250.16 h100
Drill Drawing:
  drawing of 256 lines, arcs and shapes, not listed
  text "FABRICATION NOTE" at 4049.84,6086.98 h100
  text "IMPEDANCE TABLE" at 1088.56,6051.61 h100
  text "NOTES: (UNLESS OTHERWISE SPECIFIED)" at 4050.72,5984.53 h100
  text "IMPEDANCE" at 1027.56,5800.61 h80
  text "1. FABRICATE PER IPC-6012B TYPE 2 CLASS 3" at 4036.74,5785.85 h50
  text "WIDTH" at 2146.56,5693.61 h80
  text "SPACE" at 2774.56,5693.61 h80
  text "2. MATERIAL:" at 4036.74,5665.85 h50
  text "BASE MATERIAL  : FR4 Tg 180" at 4538.55,5665.59 h50
  text "LAYER" at 94.56,5664.61 h80
  text "SINGLE END" at 649.56,5579.61 h80
  text "DIFF" at 1499.52,5575.25 h80
  text "3. BOARD THICKNESS: 1.6MM +/- 10% TOL." at 4036.74,5545.85 h50
  text "4. NO OF LAYERS: 04" at 4040.48,5451.66 h50
  text "----" at 2770.47,5342.13 h50
  text "----" at 1443.29,5341.31 h50
  text "6 MILS" at 2093.53,5336.66 h100
  text "5. SURFACE FINISH: ENIG FINISH, 1u Gold" at 4040.48,5331.66 h50
  text "50 OHM" at 701.32,5326.61 h50
  text "L01 & L04" at 67.56,5325.61 h80
  text "6. SOLDERMASK CLEARANCE IS GIVEN SAME AS PAD SIZE EXCEPT FIDUCIALS." at 4040.48,5211.66 h50
  text "----" at 2770.47,5142.13 h50
  text "----" at 1443.29,5134.93 h50
  text "VENDOR SHALL MODIFY THE MASK CLEARANCE AS PER THE REQUIRED MANUFACTURING TOLERANCE" at 4160.48,5091.66 h50
  text "COLOR: Matte Black" at 4080.48,4971.66 h50
  text "7. SILKSCREEN:DOUBLE SIDE WITH PERMANENT NON CONDUCTIVE WHITE EPOXY INK" at 4040.48,4851.66 h50
  text "SILKSCREEN MAY BE TRIMMED OFF ANY SOLDERED ENTITY." at 4080.48,4731.66 h50
  text "90 OHM" at 1420.37,4718.75 h50
  text "8 MILS" at 2705.4,4710.17 h100
  text "----" at 717.1,4706.83 h50
  text "6 MILS" at 2081.71,4707.07 h100
  text "L01 & L04" at 63.56,4699.45 h80
  text "8. BOW AND TWIST NOT TO EXCEED 0.180MM (0.007\") PER INCH AS MEASURED PER IPC-TM-650." at 4040.48,4611.66 h50
  text "8 MILS" at 2705.4,4516.17 h100
  text "5 MILS" at 2081.71,4504.07 h100
  text "----" at 717.1,4496.19 h50
  text "L01 & L04" at 63.56,4492.45 h80
  text "100 OHM" at 1420.37,4493.2 h50
  text "9. 100%CONTINUITY TESTING USING DATABASE NETLIST SHALL BE PERFORMED." at 4040.48,4491.66 h50
  text "10. VENDOR SHOULD FOLLOW ROHS COMPLAINT PROCESS FOR MANUFACTURING." at 4040.48,4371.66 h50
  text "Layer" at 4126.02,4052.93 h100
  text "Name" at 4559.03,4052.93 h100
  text "Material" at 5417.17,4052.93 h100
  text "Thickness" at 6184.84,4052.93 h100
  text "Constant" at 6816.17,4052.93 h100
  text "Board Layer Stack" at 7398.56,4052.93 h100
  text "Top Overlay" at 4559.03,3852.93 h100
  text "Top Solder" at 4559.03,3652.93 h100
  text "Solder Resist" at 5417.17,3652.93 h100
  text "0.80mil" at 6184.84,3652.93 h100
  text "3.5" at 6816.17,3652.93 h100
  text "1" at 4126.02,3452.93 h100
  text "Top Layer" at 4559.03,3452.93 h100
  text "1.38mil" at 6184.84,3452.93 h100
  text "Dielectric 2" at 4559.03,3252.93 h100
  text "PP-006" at 5417.17,3252.93 h100
  text "3.94mil" at 6184.84,3252.93 h100
  text "4.05" at 6816.17,3252.93 h100
  text "2" at 4126.02,3052.94 h100
  text "L2_GND" at 4559.03,3052.94 h100
  text "CF-004" at 5417.17,3052.94 h100
  text "0.69mil" at 6184.84,3052.94 h100
  text "Dielectric 1" at 4559.03,2852.94 h100
  text "Core-009" at 5417.17,2852.94 h100
  text "49.80mil" at 6184.84,2852.94 h100
  text "4.05" at 6816.17,2852.94 h100
  text "3" at 4126.02,2652.94 h100
  text "L3_PWR" at 4559.03,2652.94 h100
  text "CF-004" at 5417.17,2652.94 h100
  text "0.69mil" at 6184.84,2652.94 h100
  text "Dielectric 3" at 4559.03,2452.94 h100
  text "PP-006" at 5417.17,2452.94 h100
  text "3.94mil" at 6184.84,2452.94 h100
  text "4.05" at 6816.17,2452.94 h100
  text "4" at 4126.02,2252.94 h100
  text "Bottom Layer" at 4559.03,2252.94 h100
  text "1.38mil" at 6184.84,2252.94 h100
  text "Bottom Solder" at 4559.03,2052.94 h100
  text "Solder Resist" at 5417.17,2052.94 h100
  text "0.80mil" at 6184.84,2052.94 h100
  text "3.5" at 6816.17,2052.94 h100
  text "Bottom Overlay" at 4559.03,1852.94 h100
  text "Total board thickness:" at 4126.02,1652.94 h100
  text "63.41mil" at 6184.84,1652.94 h100
  text "Symbol" at 4166.26,1113.31 h120
  text "Count" at 4667.54,1113.31 h120
  text "Hole Size" at 5169.82,1113.31 h120
  text "Plated" at 6153,1113.31 h120
  text "Hole Type" at 6585.18,1113.31 h120
  text "Drill Layer Pair" at 7210.89,1113.31 h120
  text "129" at 4667.54,906.11 h100
  text "8.00mil (0.203mm)" at 5169.82,906.11 h100
  text "PTH" at 6153,906.11 h100
  text "Round" at 6585.18,906.11 h100
  text "Top Layer - Bottom Layer" at 7210.89,906.11 h100
  text "B" at 4128.7,896.13 h92.09
  text "431" at 4667.54,698.91 h100
  text "10.00mil (0.254mm)" at 5169.82,698.91 h100
  text "PTH" at 6153,698.91 h100
  text "Round" at 6585.18,698.91 h100
  text "Top Layer - Bottom Layer" at 7210.89,698.91 h100
  text "C" at 4128.7,688.93 h92.09
  text "40" at 4667.54,491.71 h100
  text "15.00mil (0.381mm)" at 5169.82,491.71 h100
  text "PTH" at 6153,491.71 h100
  text "Round" at 6585.18,491.71 h100
  text "Top Layer - Bottom Layer" at 7210.89,491.71 h100
  text "D" at 4128.7,481.73 h92.09
  text "1" at 4667.54,284.51 h100
  text "19.69mil (0.500mm)" at 5169.82,284.51 h100
  text "NPTH" at 6153,284.51 h100
  text "Slot" at 6585.18,284.51 h100
  text "Top Layer - Bottom Layer" at 7210.89,284.51 h100
  text "E" at 4128.7,274.53 h92.09
  text "2" at 4667.54,77.31 h100
  text "23.62mil (0.600mm)" at 5169.82,77.31 h100
  text "PTH" at 6153,77.31 h100
  text "Slot" at 6585.18,77.31 h100
  text "Top Layer - Bottom Layer" at 7210.89,77.31 h100
  text "H" at 4128.7,67.33 h92.09
  text "2" at 4667.54,-129.89 h100
  text "23.62mil (0.600mm)" at 5169.82,-129.89 h100
  text "PTH" at 6153,-129.89 h100
  text "Slot" at 6585.18,-129.89 h100
  text "Top Layer - Bottom Layer" at 7210.89,-129.89 h100
  text "G" at 4128.7,-139.87 h92.09
  text "2" at 4667.54,-337.09 h100
  text "23.62mil (0.600mm)" at 5169.82,-337.09 h100
  text "PTH" at 6153,-337.09 h100
  text "Slot" at 6585.18,-337.09 h100
  text "Top Layer - Bottom Layer" at 7210.89,-337.09 h100
  text "I" at 4144.04,-347.07 h92.09
  text "2" at 4667.54,-544.29 h100
  text "23.62mil (0.600mm)" at 5169.82,-544.29 h100
  text "PTH" at 6153,-544.29 h100
  text "Slot" at 6585.18,-544.29 h100
  text "Top Layer - Bottom Layer" at 7210.89,-544.29 h100
  text "F" at 4128.7,-554.27 h92.09
  text "DRILL DRAWING/NO BOTTOM PASTEMASK" at 565,-743.36 h100
  text "1" at 4667.54,-751.49 h100
  text "24.80mil (0.630mm)" at 5169.82,-751.49 h100
  text "NPTH" at 6153,-751.49 h100
  text "Round" at 6585.18,-751.49 h100
  text "Top Layer - Bottom Layer" at 7210.89,-751.49 h100
  text "Q" at 4128.7,-761.47 h92.09
  text "2" at 4667.54,-958.69 h100
  text "26.00mil (0.660mm)" at 5169.82,-958.69 h100
  text "NPTH" at 6153,-958.69 h100
  text "Round" at 6585.18,-958.69 h100
  text "Top Layer - Bottom Layer" at 7210.89,-958.69 h100
  text "J" at 4128.7,-968.67 h92.09
  text "2" at 4667.54,-1165.89 h100
  text "29.53mil (0.750mm)" at 5169.82,-1165.89 h100
  text "PTH" at 6153,-1165.89 h100
  text "Slot" at 6585.18,-1165.89 h100
  text "Top Layer - Bottom Layer" at 7210.89,-1165.89 h100
  text "K" at 4128.7,-1175.87 h92.09
  text "15" at 4667.54,-1373.09 h100
  text "31.50mil (0.800mm)" at 5169.82,-1373.09 h100
  text "PTH" at 6153,-1373.09 h100
  text "Round" at 6585.18,-1373.09 h100
  text "Top Layer - Bottom Layer" at 7210.89,-1373.09 h100
  text "A" at 4128.7,-1383.07 h92.09
  text "7" at 4667.54,-1580.29 h100
  text "39.37mil (1.000mm)" at 5169.82,-1580.29 h100
  text "PTH" at 6153,-1580.29 h100
  text "Round" at 6585.18,-1580.29 h100
  text "Top Layer - Bottom Layer" at 7210.89,-1580.29 h100
  text "M" at 4128.7,-1590.27 h92.09
  text "4" at 4667.54,-1787.49 h100
  text "40.16mil (1.020mm)" at 5169.82,-1787.49 h100
  text "NPTH" at 6153,-1787.49 h100
  text "Round" at 6585.18,-1787.49 h100
  text "Top Layer - Bottom Layer" at 7210.89,-1787.49 h100
  text "N" at 4128.7,-1797.47 h92.09
  text "10" at 4667.54,-1994.69 h100
  text "60.63mil (1.540mm)" at 5169.82,-1994.69 h100
  text "PTH" at 6153,-1994.69 h100
  text "Round" at 6585.18,-1994.69 h100
  text "Top Layer - Bottom Layer" at 7210.89,-1994.69 h100
  text "L" at 4128.7,-2004.67 h92.09
  text "4" at 4667.54,-2201.89 h100
  text "118.11mil (3.000mm)" at 5169.82,-2201.89 h100
  text "NPTH" at 6153,-2201.89 h100
  text "Round" at 6585.18,-2201.89 h100
  text "Top Layer - Bottom Layer" at 7210.89,-2201.89 h100
  text "O" at 4128.7,-2211.87 h92.09
  text "5" at 4667.54,-2409.09 h100
  text "118.11mil (3.000mm)" at 5169.82,-2409.09 h100
  text "PTH" at 6153,-2409.09 h100
  text "Round" at 6585.18,-2409.09 h100
  text "Top Layer - Bottom Layer" at 7210.89,-2409.09 h100
  text "P" at 4128.7,-2419.07 h92.09
  text "659 Total" at 4667.54,-2616.29 h100
  text "Slot definitions :" at 4166.26,-2761.33 h100
  text "Routed Path Length" at 4917.45,-2761.33 h100
  text "= Calculated from tool start centre position to tool end centre position." at 5817.02,-2761.33 h100
  text "Hole Length" at 4917.45,-2844.21 h100
  text "= Routed Path Length + Tool Size = Slot length as defined in the PCB layout" at 5484.02,-2844.21 h100

## Dimensions
-39.37,-157.48 to -39.37,2637.8 on Drill Drawing
-157.48,2519.68 to 3307.09,2519.68 on Drill Drawing

## Text inside footprints (layer, text, board x,y; h text height)
J2: Top Assembly "59" at 1803.15,1666.88 h50; Top Assembly "60" at 1803.15,1608.27 h50; Top Assembly "2" at 1303.93,1610.94 h50; Top Assembly "1" at 1306.17,1669.8 h50; Top Overlay "1" at 1314.01,1720.08 h50; Top Overlay "2" at 1311.38,1554.42 h50; Top Overlay "60" at 1822.83,1554.61 h50; Top Overlay "59" at 1822.83,1720.63 h50
J3: Top Assembly "59" at 1803.15,879.48 h50; Top Assembly "60" at 1803.15,820.87 h50; Top Assembly "2" at 1303.93,823.53 h50; Top Assembly "1" at 1306.17,882.39 h50; Top Overlay "1" at 1314.01,932.68 h50; Top Overlay "2" at 1311.38,767.02 h50; Top Overlay "60" at 1814.8,760.4 h50; Top Overlay "59" at 1822.83,933.23 h50
J6: Top Assembly "PCB Edge" at -147.14,1404.72 h32 r270
J7: Top Assembly "1" at 3036.45,337.36 h77.5 r180; Top Assembly "2" at 3036.45,142.32 h77.5 r180; Top Assembly "5" at 2617.99,337.58 h77.5 r180; Top Assembly "6" at 2617.99,142.54 h77.5 r180; Top Overlay "6" at 2635,-16.89 h50; Top Overlay "5" at 2620,413.11 h50; Top Overlay "2" at 2995,-11.89 h50; Top Overlay "1" at 2990,408.11 h50; Mechanical 40 "12.700" at 2696.3,-50.16 h15.5 r180; Mechanical 40 "15.240" at 2696.3,426.34 h15.5 r180; Mechanical 40 "2.540" at 3043.3,-10.16 h15.5 r180; Mechanical 40 "5.080" at 3118.3,219.84 h15.5 r180; Mechanical 40 "4.953" at 3033.3,219.84 h15.5 r180
J8: Top Assembly "1" at 2646.45,337.36 h77.5 r180; Top Assembly "2" at 2646.45,142.32 h77.5 r180; Top Assembly "11" at 1943.66,337.36 h77.5 r180; Top Assembly "12" at 1943.66,142.32 h77.5 r180; Top Overlay "12" at 1935,-11.89 h50; Top Overlay "11" at 1999.8,414.84 h50; Top Overlay "2" at 2585,-16.89 h50; Top Overlay "1" at 2514.8,409.84 h50; Mechanical 40 "12.700" at 2306.3,-50.16 h15.5 r180; Mechanical 40 "15.240" at 2306.3,426.34 h15.5 r180; Mechanical 40 "2.540" at 2653.3,-10.16 h15.5 r180; Mechanical 40 "5.080" at 2728.3,219.84 h15.5 r180; Mechanical 40 "4.953" at 2643.3,219.84 h15.5 r180
J10: Top Assembly "1" at 576.45,337.36 h77.5 r180; Top Assembly "2" at 576.45,142.32 h77.5 r180; Top Assembly "5" at 157.99,337.58 h77.5 r180; Top Assembly "6" at 157.99,142.54 h77.5 r180; Top Overlay "5" at 274.8,409.84 h50 r90; Top Overlay "1" at 449.8,409.84 h50; Mechanical 40 "12.700" at 236.3,-50.16 h15.5 r180; Mechanical 40 "15.240" at 236.3,426.34 h15.5 r180; Mechanical 40 "2.540" at 583.3,-10.16 h15.5 r180; Mechanical 40 "5.080" at 658.3,219.84 h15.5 r180; Mechanical 40 "4.953" at 573.3,219.84 h15.5 r180
J13: Top Assembly "1" at 133.15,932.32 h77.5; Top Assembly "2" at 133.15,1127.36 h77.5; Top Assembly "5" at 551.62,932.1 h77.5; Top Assembly "6" at 551.62,1127.14 h77.5; Top Overlay "5" at 535,843.11 h77.5; Top Overlay "2" at 140,1173.11 h77.5; Top Overlay "1" at 150,833.11 h77.5; Mechanical 40 "12.700" at 473.3,1319.84 h15.5; Mechanical 40 "15.240" at 473.3,843.34 h15.5; Mechanical 40 "2.540" at 126.3,1279.84 h15.5; Mechanical 40 "5.080" at 51.3,1049.84 h15.5; Mechanical 40 "4.953" at 136.3,1049.84 h15.5
J14: Top Assembly "1" at 1266.45,337.36 h77.5 r180; Top Assembly "2" at 1266.45,142.32 h77.5 r180; Top Assembly "11" at 563.66,337.36 h77.5 r180; Top Assembly "12" at 563.66,142.32 h77.5 r180; Top Overlay "11" at 584,417 h50; Top Overlay "1" at 1230,348.11 h50; Mechanical 40 "12.700" at 926.3,-50.16 h15.5 r180; Mechanical 40 "15.240" at 926.3,426.34 h15.5 r180; Mechanical 40 "2.540" at 1273.3,-10.16 h15.5 r180; Mechanical 40 "5.080" at 1348.3,219.84 h15.5 r180; Mechanical 40 "4.953" at 1263.3,219.84 h15.5 r180
J15: Top Assembly "1" at 1956.45,337.36 h77.5 r180; Top Assembly "2" at 1956.45,142.32 h77.5 r180; Top Assembly "11" at 1253.66,337.36 h77.5 r180; Top Assembly "12" at 1253.66,142.32 h77.5 r180; Top Overlay "12" at 1225,-16.89 h50; Top Overlay "11" at 1235,414 h50; Top Overlay "2" at 1885,-16.89 h50; Top Overlay "1" at 1915,388.11 h50; Mechanical 40 "12.700" at 1616.3,-50.16 h15.5 r180; Mechanical 40 "15.240" at 1616.3,426.34 h15.5 r180; Mechanical 40 "2.540" at 1963.3,-10.16 h15.5 r180; Mechanical 40 "5.080" at 2038.3,219.84 h15.5 r180; Mechanical 40 "4.953" at 1953.3,219.84 h15.5 r180
U4: Top Assembly "A" at 2705.22,791.96 h50 r180; Top Assembly "B" at 2700.22,826.96 h50 r180; Top Assembly "1" at 2670.22,766.96 h50 r180; Top Assembly "2" at 2650.22,766.96 h50 r180; Top Overlay "A" at 2589,768.11 h50; Top Overlay "B" at 2594,808.11 h50; Top Overlay "1" at 2654.8,739.84 h50; Top Overlay "2" at 2619.8,739.84 h50
U6: Top Assembly "2" at 2304.33,639.84 h20; Top Assembly "1" at 2304.33,659.84 h20; Top Assembly "B" at 2264.33,684.84 h20 r270; Top Assembly "A" at 2284.33,684.84 h20 r270; Top Overlay "2" at 2309.8,629.84 h30; Top Overlay "1" at 2309.8,659.84 h30; Top Overlay "B" at 2272.8,682.84 h30 r90; Top Overlay "A" at 2310.8,681.84 h30 r90